# Altium PCB FMs.PcbDoc
Units mil, origin at the board's own origin, x right, y up, seen from the top; angles counter-clockwise.
Board outline 3113 x 2745 mil, 2 copper layers (Top Layer, Bottom Layer); 112 components, 51 nets, 377 pads, 2029 vias.
Unrouted connection lines stored in the file: 5.
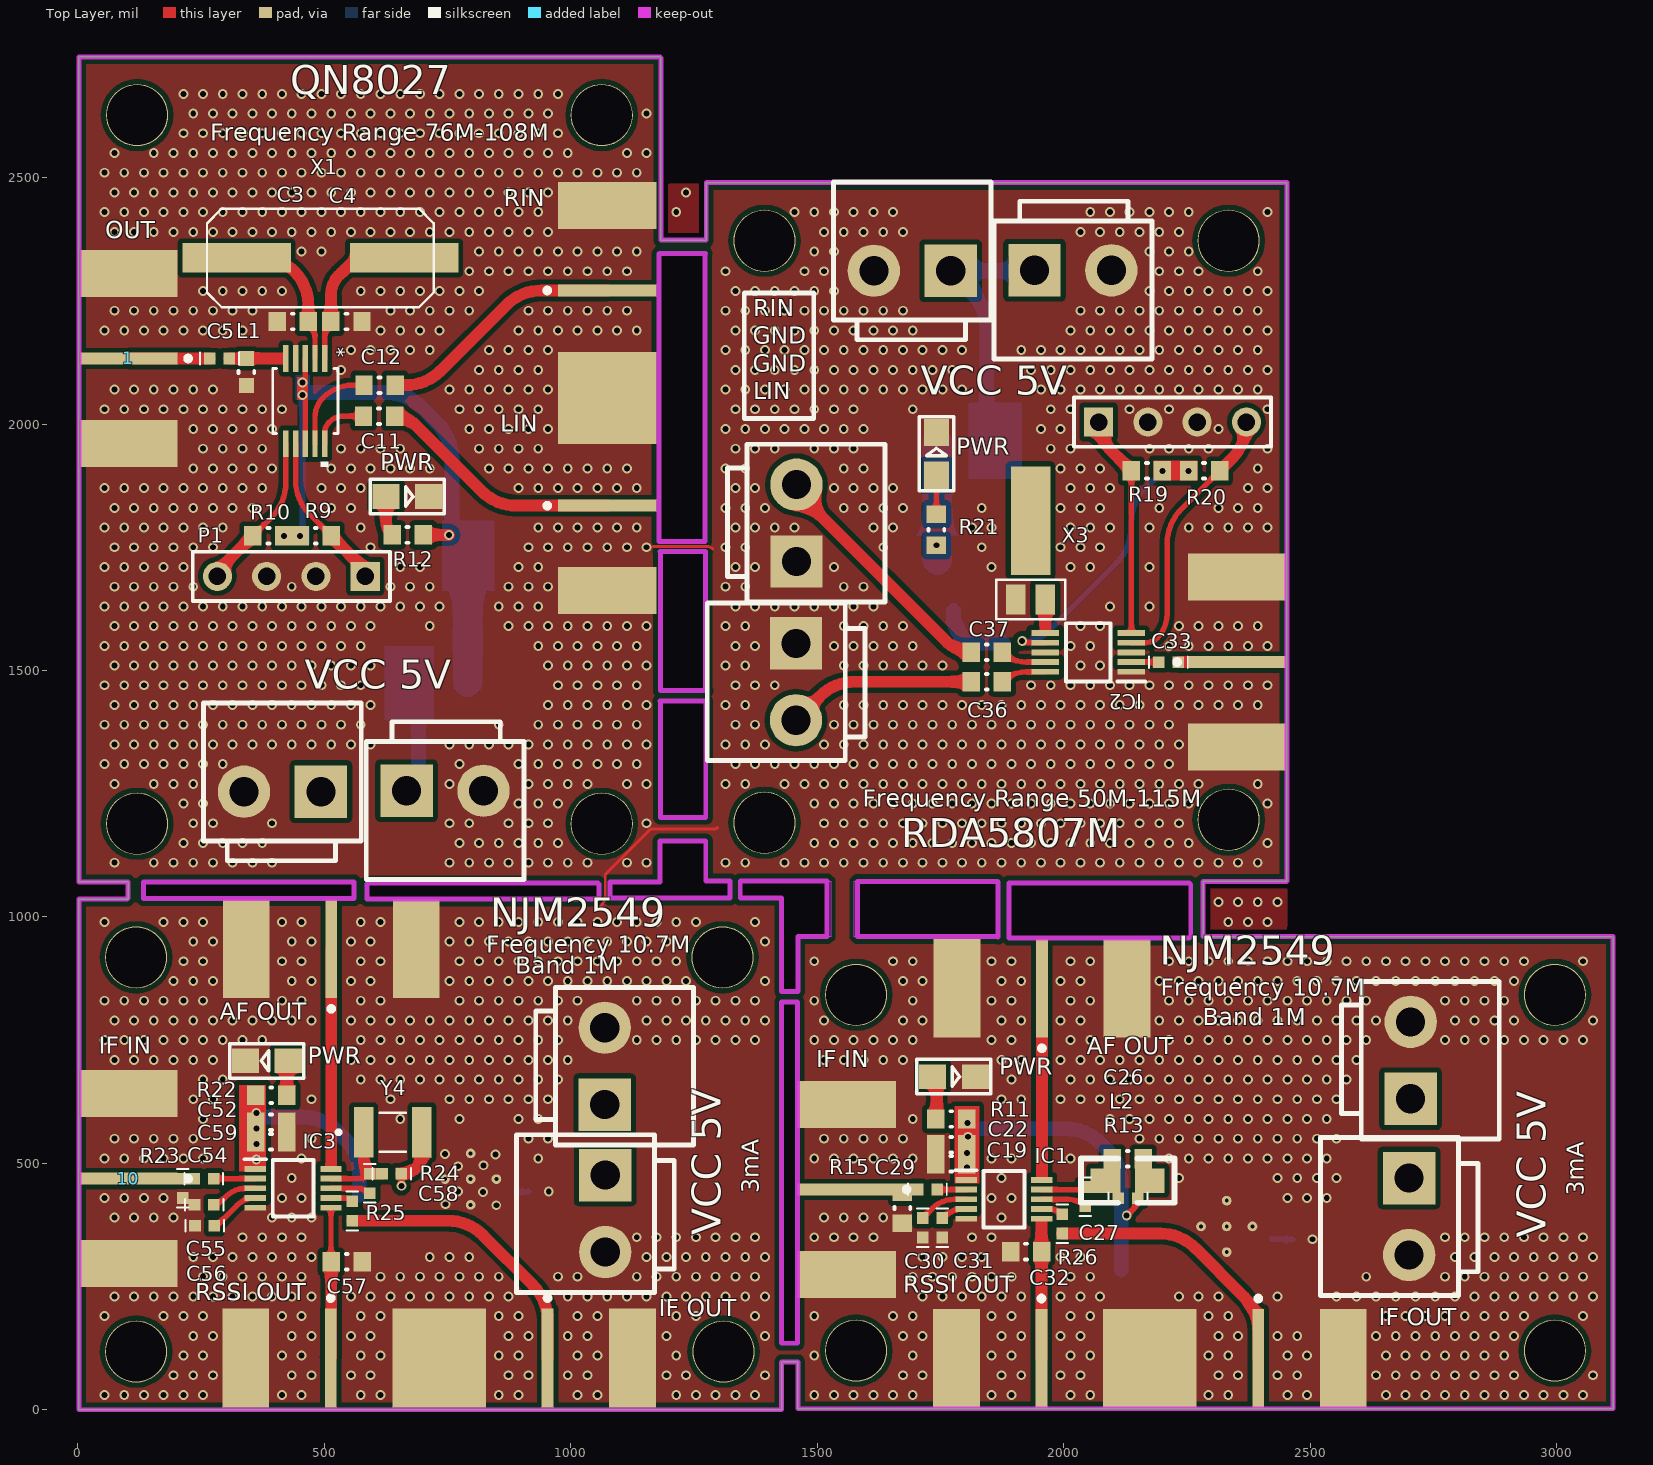
[diagram p0: Top Layer view]
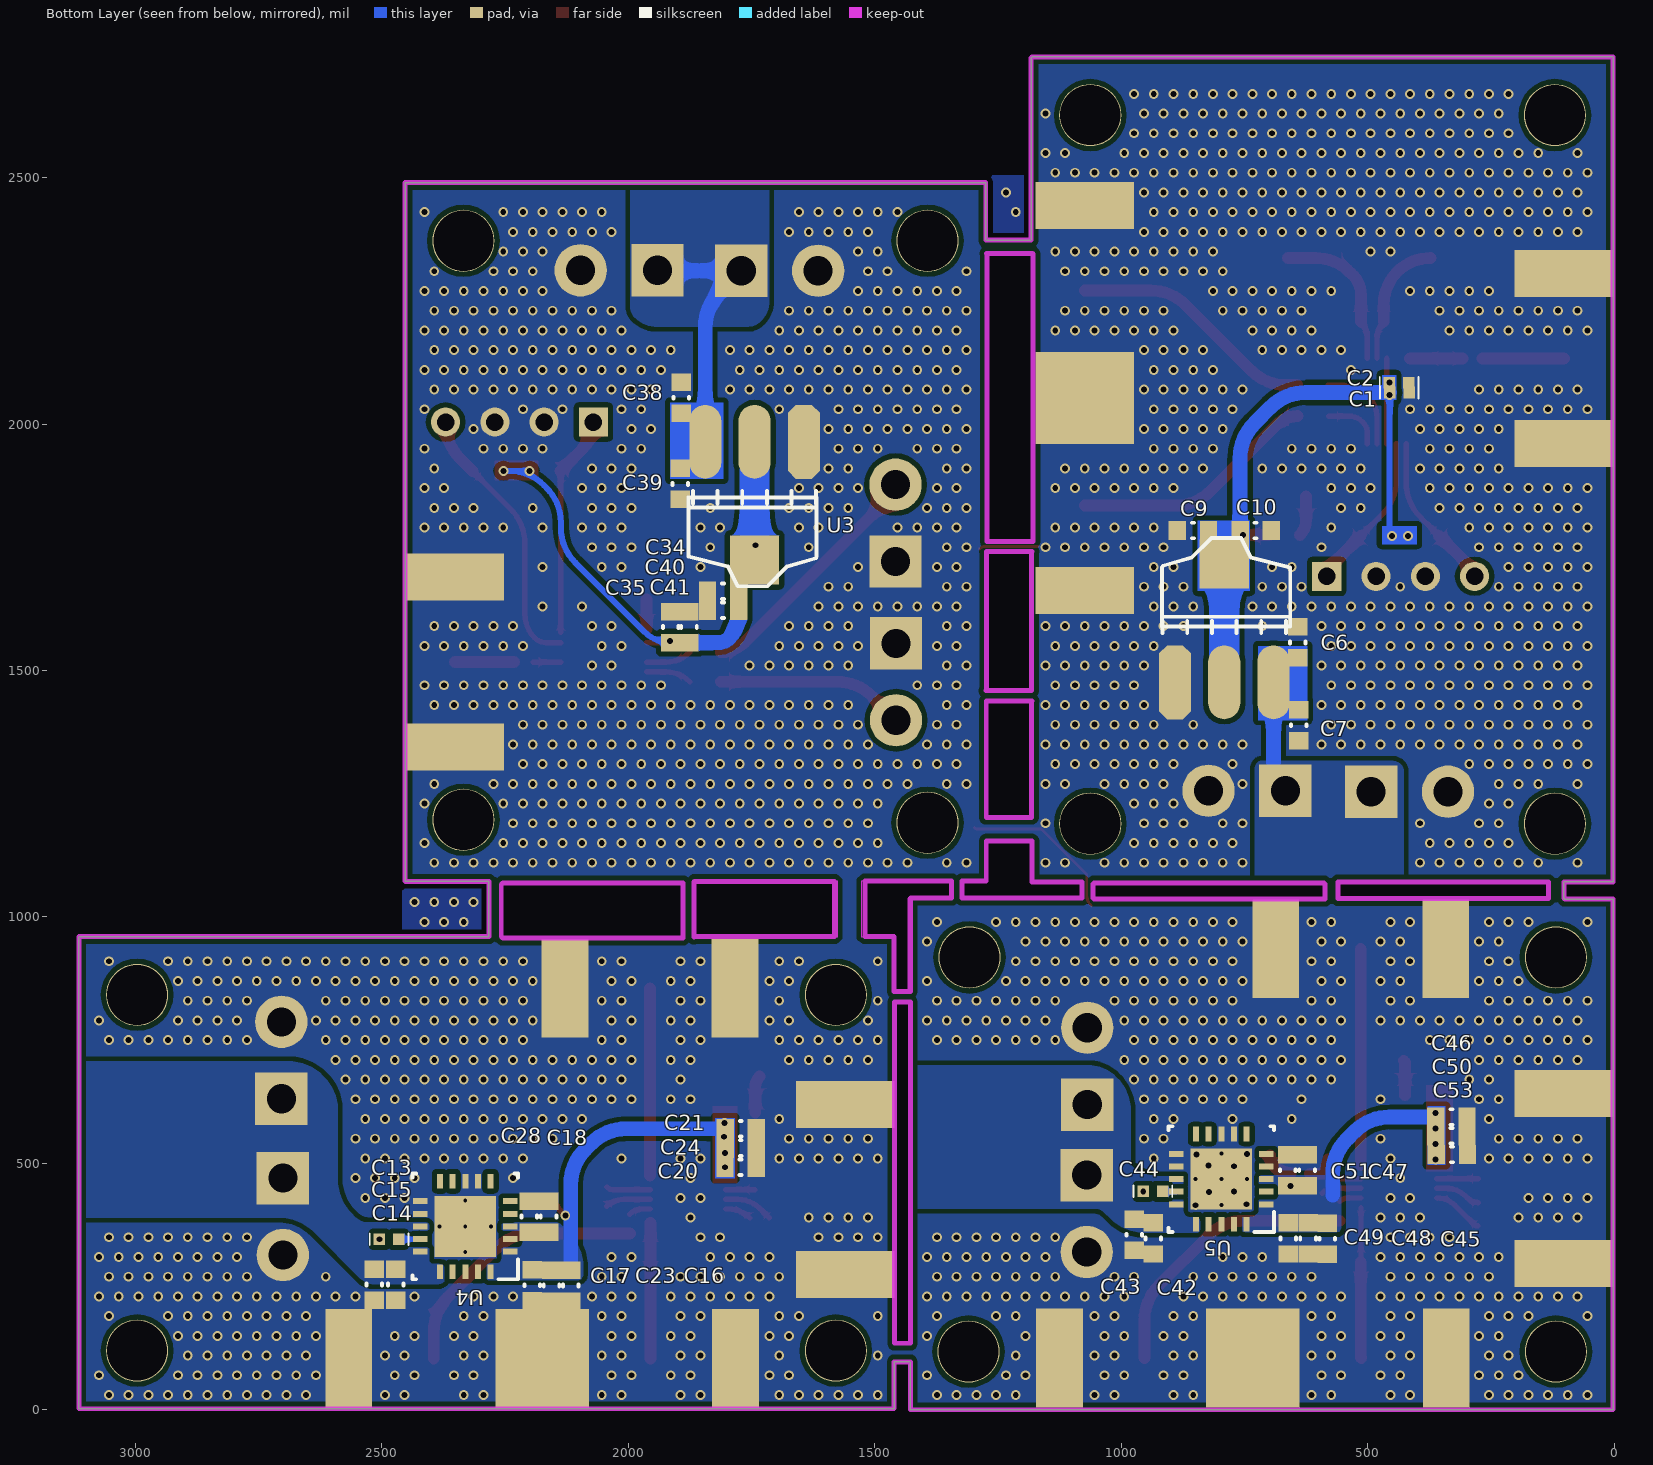
[diagram p1: Bottom Layer view, seen from below]

## Layer stack, top to bottom
Top Solder: solder mask 0.4, Solder Resist, Dk 3.5
Top Layer: signal copper 1.4
Dielectric 1: dielectric 12.6, FR-4, Dk 4.8
Bottom Layer: signal copper 1.4
Bottom Solder: solder mask 0.4, Solder Resist, Dk 3.5

## Board outline
2,0 2,1036 100,1036 102,1038 102,1071 2,1071 2,2745 1181,2745 1183,2743 1183,2373 1275,2373 1275,2490 2453,2490 2453,1073 2452,1072 2283,1072 2283,960 3115,960 3115,2 1461,2 1461,97 1428,97 1428,0
cut-out: 1889,957 1889,1069 2255,1069 2258,1066 2258,960 2255,957
cut-out: 1575,960 1575,1072 1866,1072 1867,1071 1867,959 1866,960
cut-out: 1428,135 1460,135 1460,827 1428,827
cut-out: 1348,1037.5 1348,1072.5 1528,1072.5 1528,959.5 1465,959.5 1465,848.5 1432,848.5 1432,1037.5
cut-out: 1080,1038 1080,1071 1181,1071 1181,1154 1274,1154 1274,1073 1323,1073 1323,1038
cut-out: 1182,1202 1182,1437 1181,1438 1274,1438 1274,1202
cut-out: 1182,1459 1182,1740 1181,1741 1274,1741 1273,1740 1273,1461 1275,1459
cut-out: 1179,1762 1272,1762 1272,2345 1273,2346 1180,2346 1179,2345
cut-out: 587,1036 1055,1036 1057,1038 1057,1067 1055,1069 589,1069 587,1067
cut-out: 133,1037 133,1071 560,1071 560,1037

## Design rules (kind name [scope] priority, off if disabled: settings)
Clearance [All] p1: gap=10 ignorepadtopadclearanceinfootprint=FALSE except(0: Arc-Hole Track-Hole SMDPad-Hole THPad-Hole Via-Hole Fill-Hole Poly-Hole Region-Hole Text-Hole)
PlaneConnect [All] p1: planeconnectstyle=Direct reliefexpansion=20 reliefentries=4 reliefconductorwidth=10 reliefairgap=10
PolygonConnect [All] p1: connectstyle=Direct reliefconductorwidth=10 reliefentries=4 polygonreliefangle="90 Angle" airgapwidth=10
RoutingVias [All] p1: holewidth=28 width=50 viastyle="Through Hole" minholewidth=28 minwidth=50 maxholewidth=28 maxwidth=50
SolderMaskExpansion [All] p1: expansion=4
Width [All] p1: maxlimit=30 minlimit=1 preferedwidth=24
29 further rules are at their usual default settings.

## Classes and differential pairs
component class FMs: C1 C2 C3 C4 C5 C6 C7 C9 C10 C11 C12 C13 C14 C15 C16 C17 C18 C19 C20 C21 C22 C23 C24 C26 C27 C28 C29 C30 C31 C32 C33 C34 C35 C36 C37 C38 C39 C40 C41 C42 C43 C44 C45 C46 C47 C48 C49 C50 C51 C52 C53 C54 C55 C56 C57 C58 C59 IC1 IC2 IC3 L1 L2 P1 R9 R10 R11 R12 R13 R15 R19 R20 R21 R22 R23 R24 R25 R26 U3 U4 U5 X1 X3 Y4 ""

## Components (designator, comment, footprint, x,y, rotation, side; value= is the part's Value field where it differs from the comment)
1 "SMA" SMA 198,2128 r0 top
2 "SMA" SMA 978,1839.5 r180 top
3 "SMA" SMA 978,2276 r180 top
4 "SMA" SMA 1951,759 r270 top
5 "SMA" SMA 1960,200 r90 top
6 "SMA" SMA 2400,200 r90 top
7 "SMA" SMA 1656,442 r0 top
8 "SMA" SMA 2256,1522 r180 top
9 "3.96" 3.96 1457,1477.05 r270 top
10 "SMA" SMA 198,464 r0 top
11 "SMA" SMA 518,201 r90 top
12 "SMA" SMA 958,201 r90 top
13 "SMA" SMA 509,839 r270 top
14 "3.96" 3.96 1070,398.05 r270 top
15 "3.96" 3.96 2018.95,2312 r0 top
16 "3.96" 3.96 2701,392.05 r270 top
17 "3.96" 3.96 1069,697 r90 top
18 "3.96" 3.96 2704,709 r90 top
19 "3.96" 3.96 1693.05,2311 r180 top
20 "3.96" 3.96 745,1256 r0 top
21 "3.96" 3.96 415.05,1254 r180 top
C1 "0.1uF" 0402 416,2064 r0 bottom
C2 "10uF" 0402 416.63,2084 r0 bottom
C3 "22pF" 0603C 436,2208 r180 top
C4 "22pF" 0603C 545,2208 r0 top
C5 "天线匹配" 0402 267.63,2133 r0 top
C6 "10uf" 0603C 642,1557 r270 bottom
C7 "10uf" 0603C 640,1389 r90 bottom
C9 "10uf" 0603C 854.5,1784 r180 bottom
C10 "10uf" 0603C 727.5,1784 r0 bottom
C11 "10uF" 0603C 611,2016 r0 top
C12 "10uF" 0603C 612,2079 r0 top
C13 "10uf" 0603C 2472,254 r90 bottom
C14 "10uf" 0603C 2516,254 r90 bottom
C15 "1uf" 0402 2505.37,346 r180 bottom
C16 "10uf" 0603C 2156,252 r90 bottom
C17 "10uf" 0603C 2195,252.5 r90 bottom
C18 "10uf" 0603C 2162,392 r270 bottom
C19 "10uf" 0603C 1772,499 r0 top
C20 "10uf" 0603C 1772.5,492 r0 bottom
C21 "10uf" 0603C 1772,570 r0 bottom
C22 "10uf" 0603C 1772,538 r0 top
C23 "10nF" 0603C 2117,252 r90 bottom
C24 "10uF" 0603C 1772,531 r0 bottom
C26 "sele" 0603C 2130,509 r180 top
C27 "sele" 0402 2044,412.63 r90 top
C28 "10nF" 0603C 2201,392 r270 bottom
C29 "10nF" 0402 1704,447 r0 top
C30 "10nF" 0402 1714,349.63 r90 top
C31 "10nF" 0402 1754,389 r270 top
C32 "100pF" 0603C 1924,321 r0 top
C33 "10nF" 0402 2232.37,1517 r180 top
C34 "10uF" 0603C 1808,1661 r180 bottom
C35 "22nF" 0603C 1914,1588 r270 bottom
C36 "10uF" 0603C 1844,1477 r180 top
C37 "10uF" 0603C 1844,1537 r180 top
C38 "10uf" 0603C 1893,2053.5 r270 bottom
C39 "10uf" 0603C 1895,1878.5 r90 bottom
C40 "10uf" 0603C 1808,1622 r180 bottom
C41 "10uf" 0603C 1877,1588 r270 bottom
C42 "10uf" 0603C 935,347.5 r90 bottom
C43 "10uf" 0603C 974,355 r90 bottom
C44 "1uf" 0402 955.37,443 r180 bottom
C45 "10uf" 0603C 582,347 r90 bottom
C46 "10uf" 0603C 330,594 r0 bottom
C47 "10uf" 0603C 623,486 r270 bottom
C48 "10uf" 0603C 621,347.5 r90 bottom
C49 "10uf" 0603C 661,347.5 r90 bottom
C50 "10uf" 0603C 330,556 r0 bottom
C51 "10uf" 0603C 662,486 r270 bottom
C52 "10uF" 0603C 392,583 r180 top
C53 "10nF" 0603C 329,518 r0 bottom
C54 "10nF" 0402 236,469 r0 top
C55 "10nF" 0402 236.63,416 r0 top
C56 "10nF" 0402 277,373 r180 top
C57 "100pF" 0603C 545.5,300 r180 top
C58 "sele" 0402 592,439.63 r90 top
C59 "10nF" 0603C 392,544 r180 top
IC1 "NJM2549" SOP50P400X100-10N 1879,427 r0 top
IC2 "RDA5807" SOP50P490X110-10N 2049.91,1536.68 r180 top
IC3 "NJM2549" SOP50P400X100-10N 436.77,449.32 r0 top
L1 "天线匹配" 0603L 342,2105.5 r270 top value=100uH
L2 "Sele" 0805 2085,465.06 r0 top value=100uH
LD1 "LED" SMDLED 1733.96,676.06 r0 top
LD2 "LED" SMDLED 625,1853 r0 top
LD3 "LED" SMDLED 1741.94,1895.97 r90 top
LD4 "LED" SMDLED 427,708 r180 top
P1 "4-3.96" HDR1X4 583,1691 r180 top
P2 "4p" HDR1X4 2071,2004 r0 top
R9 "4.7K" 0603R 482.5,1773 r180 top
R10 "4.7K" 0603R 386.5,1773 r180 top
R11 "1k" 0603R 1772,590 r180 top
R12 "1k" 0603R 669,1775 r180 top
R13 "sele" 0402 2111,429 r0 top
R15 "51R" 0603R 1673,409.5 r90 top
R19 "10K" 0603R 2169,1905 r180 top
R20 "10K" 0603R 2285,1905 r0 top
R21 "1k" 0603R 1742,1785.5 r90 top
R22 "1k" 0603R 392.5,638 r0 top
R23 "51R" 0402 213,429.63 r90 top
R24 "sele" 0402 617,479 r0 top
R25 "0R" 0402 557,423 r270 top
R26 "0R" 0402 1997,397 r270 top
U1 "QN8027" MUB10A 461.37,2046.5 r270 top value=Value
U2 "AMS1117-3.3" AMS1117 891.03,1476.06 r180 bottom
U3 "AMS1117-3.3" AMS1117 1643.97,1963.94 r0 bottom
U4 "TPS7A4701QRGWRQ1" RGW0020A 2331,372 r0 bottom value=Value
U5 "TPS7A4701QRGWRQ1" RGW0020A 797,468 r0 bottom value=Value
X1 "12M" XTAL-HCM49 392,2337 r0 top
X3 "32.768k" XTAL32-2 1903,1644 r0 top
Y4 "10M7" XTAL_CDSCB10M7GA135-R0 639,563 r0 top
? "3.96" 3.96 1458,1798.95 r90 top

## Footprints (in the part's own frame and the unit in brackets; to place one, negate y for a bottom-side part, rotate by r counter-clockwise, add the part's x,y. Pads: shape width x height; smd on the part's side, far side on the other; paste and mask are expansions set on the pad)
3.96 [mm] "接插件，25V/5A"
  rect 2.7x2.7 hole 1.5: 1(-1.98,0)
  round 2.7 hole 1.5: 2(1.982,0)
  silkscreen extent -4.06,-4.57 4.07,3.56, body extent -3.98,-4.4 4.03,4.16, height 10.5
0402 [mm]
  rect 0.6x0.6 smd: 1(0,0) 2(1,0)
  silkscreen extent -0.5,-0.3 1.5,0.3
0603C [mm] "Chip Capacitor, Body 1.6x0.8mm, Height 1.0mm, IPC Medium Density"
  rect 0.9x1 smd: 1(-0.8,0) 2(0.8,0)
  silkscreen extent -0.05,-0.4 0.05,0.4, body extent -0.87,-0.48 0.88,0.47, height 1
0603L [mil] "Bead 0603L"
  rect 30x30 smd: 1(27.5,0) 2(-27.5,0)
  silkscreen extent -2,-16 2,16, body extent -34,-19 34,19, height 24
0603R [mm] "Chip Resistor, Body 1.6x0.8mm, IPC Medium Density"
  rect 0.9x1 smd: 1(-0.8,0) 2(0.8,0)
  silkscreen extent -0.05,-0.4 0.05,0.4, body extent -0.85,-0.47 0.85,0.47, height 0.6
0805 [mil]
  rect 60x50 smd: 1(0,-0.06) 2(90,-0.06)
  silkscreen extent -50,-45 140,45
AMS1117 [mil]
  oct 65x150 smd: 1(0.03,-0.06)
  oval 65x150 smd: 2(100.03,-0.06) 3(200.03,-0.06)
  rect 100x100 smd: 4(100.03,239.94)
  silkscreen extent -26,100 234,293
HDR1X4 [mm]
  rect 1.5x1.5 hole 0.9: 1(0,0)
  round 1.5 hole 0.9: 2(2.54,0) 3(5.08,0) 4(7.62,0)
  silkscreen extent -1.27,-1.27 8.89,1.27
MUB10A [mil]
  rect 54x11 smd: 1(-86.5,39.37) 2(-86.5,19.68) 3(-86.5,0) 4(-86.5,-19.69) 5(-86.5,-39.37) 6(86.5,-39.37) 7(86.5,-19.69) 8(86.5,0) 9(86.5,19.68) 10(86.5,39.37)
  silkscreen extent -66,-66 134,66, body extent 0,0 10,10, height 10
RGW0020A [mm]
  rect 0.75x0.31 smd paste+0 mask+0: 1(-2.325,1.3) 2(-2.325,0.65) 3(-2.325,0) 4(-2.325,-0.65) 5(-2.325,-1.3) 11(2.325,-1.3) 12(2.325,-0.65) 13(2.325,0) 14(2.325,0.65) 15(2.325,1.3)
  rect 0.31x0.75 smd paste+0 mask+0: 6(-1.3,-2.325) 7(-0.65,-2.325) 8(0,-2.325) 9(0.65,-2.325) 10(1.3,-2.325) 16(1.3,2.325) 17(0.65,2.325) 18(0,2.325) 19(-0.65,2.325) 20(-1.3,2.325)
  round 0.5 hole 0.203 mask+0: 21(-1.325,0) 21(0,-1.325) 21(0,0) 21(0,1.325) 21(1.325,0)
  rect 3.15x3.15 smd paste-1.562 mask+0: 21(0,0)
  silkscreen extent -2.73,-2.73 2.73,2.73, body extent 0,0 0.25,0.25, height 0.25
SMA [mil]
  rect 200x24 smd: 1(-96,5)
  rect 200x95 smd: 2(-96,-167.5) 2(-96,177.5)
  rect 200x95 smd far side: 2(-96,-167.5) 2(-96,177.5) 2(-96,177.5)
  silkscreen extent 21,0 31,10, body extent -571,-183 -9,192, height 171
SMDLED [mm]
  rect 1.4x1.27 smd: 1(0.001,-0.002) 2(2.211,-0.002)
  silkscreen extent -0.8,-0.89 3.01,0.89
SOP50P400X100-10N [mm]
  rect 1.1x0.3 smd: 1(-1.95,1) 2(-1.95,0.5) 3(-1.95,0) 4(-1.95,-0.5) 5(-1.95,-1) 6(1.95,-1) 7(1.95,-0.5) 8(1.95,0) 9(1.95,0.5) 10(1.95,1)
  silkscreen extent -2.5,-1.45 1.05,1.5, body extent -2,-1.45 2,1.45, height 1
SOP50P490X110-10N [mm]
  rect 1.425x0.3 smd: 1(-2.212,1) 2(-2.212,0.5) 3(-2.212,0) 4(-2.212,-0.5) 5(-2.212,-1) 6(2.212,-1) 7(2.212,-0.5) 8(2.212,0) 9(2.212,0.5) 10(2.212,1)
  silkscreen extent -2.93,-1.5 1.15,1.5, body extent -2.45,-1.5 2.45,1.5, height 1.1
XTAL32-2 [mil]
  rect 80x220 smd: 0(30,160)
  rect 40x60 smd: 1(0,0) 2(60,0)
  silkscreen extent -40,-40 100,40
XTAL-HCM49 [mil]
  rect 220x60 smd: 1(-70,0) 2(270,0)
  silkscreen extent -130,-100 330,100, body extent -184,-102 384,102
XTAL_CDSCB10M7GA135-R0 [mm]
  rect 1x2.6 smd: 1(-1.5,0) 2(1.5,0)
  silkscreen extent -2.9,-1 0.68,1, body extent -2.25,-1 2.25,1, height 1

## Part data
1 2 3 4 5 6 7 8 10 11 12 13: "SMA Connector"
C1 C2 C3 C4 C5 C6 C7 C9 C10 C11 C12 C13 C14 C15 C16 C17 C18 C19 C20 C21 C22 C23 C24 C26 C27 C28 C29 C30 C31 C32 C33 C34 C35 C36 C37 C38 C39 C40 C41 C42 C43 C44 C45 C46 C47 C48 C49 C50 C51 C52 C53 C54 C55 C56 C57 C58 C59: library part C, "Capacitor"
IC1 IC3: "Integrated Circuit", Manufacturer_Name="New Japan Radio", Datasheet Link=https://www.njr.com/semicon/PDF/NJM2549_E.pdf, Height=1mm, Manufacturer_Part_Number=NJM2549
IC2: "Integrated Circuit", Manufacturer_Name="RDA Microelectronics", Datasheet Link=http://cxem.net/tuner/files/tuner84_RDA5807M_datasheet_v1.pdf, Height=1.1mm, Manufacturer_Part_Number=RDA5807
L1 L2: library part Inductor, "Inductor", Published=8-Jun-2000, Publisher="Altium Limited", Revision="July-2002: Re-released for DXP Platform."
LD1 LD2 LD3 LD4: "Typical RED, GREEN, YELLOW, AMBER GaAs LED", PackageDocument=Feb-2002, LatestRevisionDate=17-Jul-2002, LatestRevisionNote="Re-released for DXP Platform.", PackageReference=3.2X1.6X1.1, Published=8-Jun-2000, Publisher="Altium Limited"
P1 P2: library part "Header 4", "Header, 4-Pin", LatestRevisionDate=17-Jul-2002, LatestRevisionNote="Re-released for DXP Platform.", Publisher="Altium Limited"
R9 R10 R11 R12 R13 R15 R19 R20 R21 R22 R23 R24 R25 R26: library part Resistor, "Resistor"
U1: "FM发射", Manufacturer_Part_Number=LM5020MM-2/NOPB, Built_By=EMA_UL_Team, Copyright="Copyright (C) 2018 Accelerated Designs. All rights reserved", RefDes=RefDes, Type=DEV, Vendor="Texas Instruments"
U2 U3: library part AMS1117
U4 U5: "No Description Available", Manufacturer="Texas Instruments", Copyright="Copyright (C) 2018 Accelerated Designs. All rights reserved", PartNumber=TPS7A4701QRGWRQ1, RefDes=RefDes, Type=DEV
X1 X3: library part XTAL, "Crystal"
Y4: library part CDSCB10M7GA135-R0, "Signal Conditioning", Package=None, Availability=Unavailable, MF=Murata, MP=CDSCB10M7GA135-R0, Price=None

## Free pads (board coordinates)
  round 125.98 hole 122.05: 3(118.11,118.11) 3(118.11,917.89) 3(120.11,1189.11) 3(120.11,2626.89) 3(1062.89,1189.11) 3(1062.89,2626.89) 3(1307.89,917.89) 3(1309.89,118.11) 3(1393.11,1191.11) 3(1393.11,2371.89) 3(1579.11,120.11) 3(1579.11,841.89) 3(2334.89,1197.11) 3(2334.89,2371.89) 3(2996.89,120.11) 3(2996.89,841.89)

## Via types
v1: diameter 20, hole 12, Top Layer to Bottom Layer, tented both sides, 2029 vias

## Nets (pads, with @x,y where several pads share a name; then routed paths per layer and width w, separated by ;. In a path a pad name is that pad's centre, name@x,y a point inside that pad or via, vN(x,y) a via of type N, cw(c..) or ccw(c..) an arc to the next point about the centre after c; other vN are vias at no path point)
GND: 1.2 2.2 3.2 4.2 5.2 6.2 7.2 8.2 9.1 10.2 11.2 12.2 13.2 14.2 15.2 16.2 17.2 18.2 19.2 20.2 21.2 ?.1 C1.1 C2.1 C3.2 C4.2 C6.1 C7.1 C9.1 C10.1 C13.1 C14.1 C15.1 C16.1 C17.1 C18.1 C19.1 C20.1 C21.1 C22.1 C23.1 C24.1 C28.1 C30.1 C31.2 C32.1 C34.1 C35.1 C38.1 C39.1 C40.1 C41.1 C42.1 C43.1 C44.1 C45.1 C46.1 C47.1 C48.1 C49.1 C50.1 C51.1 C52.1 C53.1 C55.1 C56.2 C57.1 C59.1 IC1.5 IC2.1 IC2.3 IC2.8 IC3.5 L1.1 LD1.2 LD2.2 LD3.2 LD4.2 P1.2 P1.3 P2.2 P2.3 R15.1 R23.1 U1.4 U2.1 U3.1 U4.7 U4.8 U4.11 U4.12 U4.21 U5.7 U5.8 U5.11 U5.12 U5.21 X3.1 | length 454.9
  Top Layer w6: 1060.85,1021.87 ccw(c1038.8,1043.93) 1069.99,1043.93 1069.99,1085.96 1162.03,1178 1290.38,1178 ccw(c1290.38,1188.88) 1298.07,1181.19 ; 1168.03,1751.41 1277.12,1751.41 cw(c1277.12,1735.84) 1288.13,1746.85
  other v1: 54,30 94,30 134,30 174,30 214,30 254,30 414,30 454,30 574,30 614,30 854,30 894,30 1014,30 1054,30 1214,30 1254,30 1294,30 1334,30 1374,30 1494,30 1534,30 1574,30 1614,30 1654,30 1694,30 1854,30 1894,30 2014,30 2054,30 2294,30 2334,30 2454,30 2494,30 2654,30 2694,30 2734,30 2774,30 2814,30 2854,30 2894,30 2934,30 2974,30 3014,30 3054,30 194,70 234,70 274,70 434,70 474,70 554,70 594,70 874,70 914,70 994,70 1034,70 1194,70 1234,70 1394,70 1674,70 1714,70 1874,70 1914,70 1994,70 2034,70 2314,70 2354,70 2434,70 2474,70 2634,70 2674,70 2714,70 2754,70 2794,70 2834,70 2874,70 2914,70 3074,70 214,110 254,110 414,110 454,110 574,110 614,110 854,110 894,110 1014,110 1054,110 1214,110 1494,110 1694,110 1854,110 1894,110 2014,110 2054,110 2294,110 2334,110 2454,110 2494,110 2654,110 2694,110 2734,110 2774,110 2814,110 2854,110 2894,110 234,150 274,150 434,150 474,150 554,150 594,150 874,150 914,150 994,150 1034,150 1194,150 1394,150 1674,150 1714,150 1874,150 1914,150 1994,150 2034,150 2314,150 2354,150 2434,150 2474,150 2634,150 2674,150 2714,150 2754,150 2794,150 2834,150 2874,150 2914,150 54,190 174,190 214,190 254,190 414,190 454,190 574,190 614,190 854,190 894,190 1014,190 1054,190 1214,190 1254,190 1374,190 1494,190 1654,190 1694,190 1854,190 1894,190 2014,190 2054,190 2294,190 2334,190 2654,190 2694,190 2734,190 2774,190 2814,190 2854,190 2894,190 2934,190 3054,190 74,230 114,230 154,230 194,230 234,230 274,230 314,230 354,230 394,230 434,230 474,230 554,230 594,230 634,230 674,230 714,230 754,230 794,230 834,230 874,230 994,230 1034,230 1074,230 1114,230 1154,230 1194,230 1234,230 1274,230 1314,230 1354,230 1394,230 1714,230 1754,230 1794,230 1834,230 1874,230 1914,230 1994,230 2034,230 2074,230 2234,230 2274,230 2314,230 2434,230 2554,230 2594,230 2634,230 2674,230 2714,230 2754,230 2794,230 2834,230 2874,230 2914,230 2954,230 2994,230 3034,230 3074,230 254,270 294,270 334,270 374,270 414,270 454,270 614,270 654,270 694,270 734,270 774,270 814,270 854,270 974,270 1014,270 1134,270 1174,270 1214,270 1254,270 1294,270 1334,270 1374,270 1694,270 1734,270 1774,270 1814,270 1854,270 1894,270 2014,270 2054,270 2614,270 2774,270 2814,270 2854,270 2894,270 2934,270 2974,270 3014,270 3054,270 234,310 274,310 314,310 354,310 394,310 434,310 474,310 714,310 754,310 794,310 1154,310 1194,310 1234,310 1274,310 1314,310 1354,310 1394,310 1714,310 1754,310 1794,310 1834,310 1994,310 2034,310 2794,310 2834,310 2874,310 2914,310 2954,310 2994,310 3034,310 3074,310 2505.37,346 334,350 374,350 414,350 454,350 1134,350 1174,350 1214,350 1254,350 1294,350 1334,350 1374,350 1494,350 1534,350 1574,350 1614,350 1814,350 1854,350 2774,350 2814,350 2854,350 2894,350 2934,350 2974,350 3014,350 3054,350 74,390 114,390 154,390 194,390 394,390 434,390 474,390 1514,390 1554,390 1594,390 1634,390 1874,390 849,415 746,417 54,430 94,430 134,430 174,430 414,430 454,430 1854,430 1894,430 2454,430 2494,430 2534,430 822,442 771,443 955.37,443 434,470 1874,470 2234,470 2434,470 2474,470 2514,470 2554,470 771,494 823,496 54,510 94,510 134,510 174,510 214,510 254,510 454,510 934,510 1494,510 1534,510 1574,510 1614,510 1654,510 1694,510 1854,510 1894,510 2014,510 2214,510 2254,510 2294,510 2334,510 2374,510 2414,510 2454,510 2494,510 2534,510 847,518 745,519 74,550 114,550 154,550 194,550 234,550 474,550 914,550 954,550 1514,550 1554,550 1594,550 1634,550 1674,550 2154,550 2194,550 2234,550 2274,550 2314,550 2354,550 2394,550 2434,550 2474,550 2514,550 2554,550 254,590 654,590 774,590 894,590 934,590 1694,590 2094,590 2134,590 2174,590 2214,590 2254,590 2294,590 2334,590 2374,590 2414,590 2454,590 2494,590 2534,590 234,630 274,630 474,630 634,630 754,630 794,630 834,630 874,630 914,630 954,630 1874,630 1914,630 1994,630 2034,630 2074,630 2114,630 2154,630 2194,630 2234,630 2274,630 2314,630 2354,630 2394,630 2434,630 2474,630 2514,630 2554,630 254,670 294,670 574,670 614,670 654,670 694,670 734,670 774,670 814,670 854,670 894,670 934,670 974,670 1894,670 2014,670 2054,670 2094,670 2134,670 2174,670 2214,670 2254,670 2294,670 2334,670 2374,670 2414,670 2454,670 2494,670 2534,670 2574,670 74,710 114,710 154,710 194,710 234,710 274,710 554,710 594,710 634,710 674,710 714,710 754,710 794,710 834,710 874,710 914,710 954,710 994,710 1514,710 1554,710 1594,710 1634,710 1674,710 1874,710 1914,710 1994,710 2034,710 2074,710 2114,710 2154,710 2194,710 2234,710 2274,710 2314,710 2354,710 2394,710 2434,710 2474,710 2514,710 2554,710 2594,710 54,750 94,750 134,750 174,750 214,750 254,750 294,750 334,750 374,750 574,750 614,750 654,750 694,750 734,750 774,750 814,750 854,750 894,750 934,750 974,750 1134,750 1174,750 1214,750 1254,750 1294,750 1334,750 1374,750 1494,750 1534,750 1574,750 1614,750 1654,750 1694,750 1854,750 1894,750 2014,750 2054,750 2214,750 2254,750 2294,750 2334,750 2374,750 2414,750 2454,750 2494,750 2534,750 2574,750 2614,750 2774,750 2814,750 2854,750 2894,750 2934,750 2974,750 3014,750 3054,750 74,790 114,790 154,790 194,790 234,790 274,790 314,790 354,790 394,790 434,790 474,790 554,790 594,790 634,790 674,790 714,790 754,790 794,790 834,790 874,790 914,790 954,790 994,790 1154,790 1194,790 1234,790 1274,790 1314,790 1354,790 1394,790 1514,790 1674,790 1714,790 1874,790 1914,790 1994,790 2034,790 2194,790 2234,790 2274,790 2314,790 2354,790 2394,790 2434,790 2474,790 2514,790 2554,790 2594,790 2634,790 2794,790 2834,790 2874,790 2914,790 3074,790 54,830 94,830 134,830 174,830 214,830 254,830 414,830 454,830 574,830 614,830 774,830 814,830 854,830 894,830 934,830 974,830 1014,830 1134,830 1174,830 1214,830 1254,830 1294,830 1334,830 1374,830 1494,830 1694,830 1854,830 1894,830 2014,830 2054,830 2214,830 2254,830 2294,830 2334,830 2374,830 2414,830 2454,830 2494,830 2534,830 2574,830 2614,830 2774,830 2814,830 2854,830 2894,830 194,870 234,870 274,870 434,870 474,870 554,870 594,870 754,870 794,870 834,870 874,870 914,870 954,870 994,870 1034,870 1074,870 1114,870 1154,870 1194,870 1234,870 1394,870 1674,870 1714,870 1874,870 1914,870 1994,870 2034,870 2194,870 2234,870 2274,870 2314,870 2354,870 2394,870 2434,870 2474,870 2514,870 2554,870 2594,870 2634,870 2674,870 2714,870 2754,870 2794,870 2834,870 2874,870 2914,870 214,910 254,910 414,910 454,910 574,910 614,910 774,910 814,910 854,910 894,910 934,910 974,910 1014,910 1054,910 1094,910 1134,910 1174,910 1214,910 1494,910 1654,910 1694,910 1854,910 1894,910 2014,910 2054,910 2214,910 2254,910 2294,910 2334,910 2374,910 2414,910 2454,910 2494,910 2534,910 2574,910 2614,910 2654,910 2694,910 2734,910 2774,910 2814,910 2854,910 2894,910 2934,910 3054,910 234,950 274,950 434,950 474,950 554,950 594,950 754,950 794,950 834,950 874,950 914,950 954,950 994,950 1034,950 1074,950 1114,950 1154,950 1194,950 1394,950 54,990 174,990 214,990 254,990 414,990 454,990 574,990 614,990 774,990 814,990 854,990 894,990 934,990 974,990 1014,990 1054,990 1094,990 1134,990 1174,990 1214,990 1254,990 1374,990 2334,990 2374,990 2414,990 2314,1030 2354,1030 2394,1030 2434,1030 74,1110 154,1110 194,1110 234,1110 274,1110 314,1110 354,1110 394,1110 754,1110 794,1110 834,1110 874,1110 914,1110 954,1110 994,1110 1034,1110 1114,1110 1154,1110 1314,1110 1354,1110 1434,1110 1474,1110 1514,1110 1554,1110 1594,1110 1634,1110 1674,1110 1714,1110 1754,1110 1794,1110 1834,1110 1874,1110 1914,1110 1954,1110 1994,1110 2034,1110 2074,1110 2114,1110 2154,1110 2194,1110 2234,1110 2274,1110 2314,1110 2354,1110 2394,1110 214,1150 254,1150 294,1150 334,1150 374,1150 774,1150 814,1150 854,1150 894,1150 934,1150 974,1150 1494,1150 1534,1150 1574,1150 1614,1150 1654,1150 1694,1150 1734,1150 1774,1150 1814,1150 1854,1150 1894,1150 1934,1150 1974,1150 2014,1150 2054,1150 2094,1150 2134,1150 2174,1150 2214,1150 2254,1150 2414,1150 234,1190 274,1190 394,1190 754,1190 794,1190 874,1190 914,1190 954,1190 1154,1190 1514,1190 1554,1190 1594,1190 1634,1190 1674,1190 1714,1190 1754,1190 1794,1190 1834,1190 1874,1190 1914,1190 1954,1190 1994,1190 2034,1190 2074,1190 2114,1190 2154,1190 2194,1190 2234,1190 214,1230 254,1230 894,1230 934,1230 974,1230 1494,1230 1534,1230 1574,1230 1614,1230 1654,1230 1694,1230 1734,1230 1774,1230 1814,1230 1854,1230 1894,1230 1934,1230 1974,1230 2014,1230 2054,1230 2094,1230 2134,1230 2174,1230 2214,1230 2254,1230 2414,1230 74,1270 154,1270 194,1270 234,1270 754,1270 914,1270 954,1270 994,1270 1034,1270 1114,1270 1154,1270 1314,1270 1354,1270 1434,1270 1474,1270 1514,1270 1554,1270 1594,1270 1634,1270 1674,1270 1714,1270 1754,1270 1794,1270 1834,1270 1874,1270 1914,1270 1954,1270 1994,1270 2034,1270 2074,1270 2114,1270 2154,1270 2194,1270 2234,1270 2274,1270 2394,1270 54,1310 94,1310 134,1310 174,1310 214,1310 254,1310 294,1310 774,1310 894,1310 934,1310 974,1310 1014,1310 1054,1310 1094,1310 1134,1310 1334,1310 1374,1310 1414,1310 1454,1310 1494,1310 1534,1310 1574,1310 1614,1310 1654,1310 1694,1310 1734,1310 1774,1310 1814,1310 1854,1310 1894,1310 1934,1310 1974,1310 2014,1310 2054,1310 2094,1310 2134,1310 2174,1310 2214,1310 74,1350 114,1350 154,1350 194,1350 234,1350 274,1350 314,1350 354,1350 394,1350 434,1350 474,1350 514,1350 554,1350 594,1350 754,1350 794,1350 834,1350 874,1350 914,1350 954,1350 994,1350 1034,1350 1074,1350 1114,1350 1154,1350 1314,1350 1354,1350 1394,1350 1514,1350 1554,1350 1594,1350 1634,1350 1674,1350 1714,1350 1754,1350 1794,1350 1834,1350 1874,1350 1914,1350 1954,1350 1994,1350 2034,1350 2074,1350 2114,1350 2154,1350 2194,1350 2234,1350 54,1390 94,1390 134,1390 174,1390 214,1390 254,1390 294,1390 334,1390 374,1390 414,1390 454,1390 494,1390 534,1390 574,1390 854,1390 934,1390 974,1390 1014,1390 1054,1390 1094,1390 1134,1390 1334,1390 1374,1390 1534,1390 1574,1390 1614,1390 1654,1390 1694,1390 1734,1390 1774,1390 1814,1390 1854,1390 1894,1390 1934,1390 1974,1390 2014,1390 2054,1390 2094,1390 2134,1390 2174,1390 2214,1390 74,1430 114,1430 154,1430 194,1430 234,1430 274,1430 314,1430 354,1430 394,1430 434,1430 474,1430 514,1430 554,1430 594,1430 954,1430 994,1430 1034,1430 1074,1430 1114,1430 1154,1430 1314,1430 1354,1430 1554,1430 1594,1430 1634,1430 1674,1430 1714,1430 1754,1430 1794,1430 1834,1430 1874,1430 1914,1430 1954,1430 1994,1430 2034,1430 2074,1430 2114,1430 2154,1430 2194,1430 2234,1430 2274,1430 2314,1430 2354,1430 2394,1430 54,1470 94,1470 134,1470 174,1470 214,1470 254,1470 294,1470 334,1470 374,1470 414,1470 454,1470 494,1470 534,1470 574,1470 974,1470 1014,1470 1054,1470 1094,1470 1134,1470 1334,1470 1374,1470 1414,1470 1934,1470 1974,1470 2014,1470 2054,1470 2094,1470 2134,1470 2174,1470 2214,1470 2254,1470 2294,1470 2334,1470 2374,1470 2414,1470 74,1510 114,1510 154,1510 194,1510 234,1510 274,1510 314,1510 354,1510 394,1510 434,1510 474,1510 514,1510 554,1510 594,1510 954,1510 994,1510 1034,1510 1074,1510 1114,1510 1154,1510 1314,1510 1354,1510 1554,1510 1594,1510 1634,1510 1674,1510 1714,1510 1754,1510 2034,1510 2074,1510 54,1550 94,1550 134,1550 174,1550 214,1550 254,1550 294,1550 334,1550 374,1550 414,1550 454,1550 494,1550 534,1550 574,1550 934,1550 974,1550 1014,1550 1054,1550 1094,1550 1134,1550 1334,1550 1374,1550 1534,1550 1574,1550 1614,1550 1654,1550 1694,1550 2014,1550 2054,1550 2214,1550 2254,1550 2294,1550 2334,1550 2374,1550 2414,1550 74,1590 114,1590 154,1590 194,1590 234,1590 274,1590 314,1590 354,1590 394,1590 434,1590 474,1590 514,1590 554,1590 594,1590 714,1590 874,1590 914,1590 954,1590 994,1590 1034,1590 1074,1590 1114,1590 1154,1590 1314,1590 1354,1590 1554,1590 1594,1590 1634,1590 1674,1590 2034,1590 2074,1590 2234,1590 2274,1590 2314,1590 2354,1590 2394,1590 54,1630 94,1630 134,1630 174,1630 214,1630 254,1630 294,1630 334,1630 374,1630 414,1630 454,1630 494,1630 534,1630 574,1630 614,1630 654,1630 694,1630 734,1630 854,1630 894,1630 934,1630 1334,1630 1374,1630 1414,1630 1454,1630 1494,1630 1534,1630 1574,1630 1614,1630 2094,1630 2174,1630 74,1670 114,1670 154,1670 194,1670 234,1670 434,1670 634,1670 674,1670 714,1670 874,1670 914,1670 954,1670 1314,1670 1354,1670 1554,1670 1594,1670 54,1710 94,1710 134,1710 174,1710 214,1710 654,1710 694,1710 894,1710 934,1710 1334,1710 1374,1710 1534,1710 1854,1710 2014,1710 2054,1710 2174,1710 74,1750 114,1750 154,1750 194,1750 234,1750 274,1750 594,1750 914,1750 954,1750 994,1750 1034,1750 1074,1750 1114,1750 1154,1750 1314,1750 1354,1750 1634,1750 1834,1750 1994,1750 2034,1750 2074,1750 54,1790 94,1790 134,1790 174,1790 214,1790 254,1790 294,1790 574,1790 934,1790 974,1790 1014,1790 1054,1790 1094,1790 1134,1790 1334,1790 1374,1790 1414,1790 1454,1790 1614,1790 1654,1790 1814,1790 1854,1790 2014,1790 2054,1790 2094,1790 2174,1790 2254,1790 2294,1790 2334,1790 2374,1790 2414,1790 74,1830 114,1830 154,1830 194,1830 234,1830 274,1830 314,1830 354,1830 514,1830 554,1830 1314,1830 1354,1830 1394,1830 1554,1830 1594,1830 1634,1830 1674,1830 1834,1830 1994,1830 2034,1830 2074,1830 2194,1830 2314,1830 2354,1830 2394,1830 54,1870 94,1870 134,1870 174,1870 214,1870 254,1870 294,1870 334,1870 374,1870 494,1870 534,1870 574,1870 894,1870 934,1870 974,1870 1014,1870 1054,1870 1094,1870 1134,1870 1334,1870 1374,1870 1534,1870 1574,1870 1614,1870 1654,1870 2014,1870 2054,1870 2094,1870 2374,1870 2414,1870 234,1910 274,1910 314,1910 354,1910 394,1910 514,1910 554,1910 594,1910 634,1910 674,1910 714,1910 834,1910 874,1910 914,1910 954,1910 994,1910 1034,1910 1074,1910 1114,1910 1314,1910 1354,1910 1554,1910 1594,1910 1994,1910 2034,1910 2074,1910 2394,1910 254,1950 294,1950 334,1950 374,1950 534,1950 574,1950 614,1950 654,1950 814,1950 854,1950 894,1950 934,1950 1334,1950 1374,1950 1414,1950 1494,1950 1534,1950 1574,1950 1974,1950 2014,1950 2174,1950 2214,1950 2254,1950 2294,1950 2414,1950 234,1990 274,1990 314,1990 354,1990 394,1990 794,1990 834,1990 874,1990 914,1990 954,1990 1314,1990 1354,1990 1394,1990 1434,1990 1474,1990 1514,1990 1554,1990 1594,1990 1954,1990 1994,1990 2314,1990 54,2030 94,2030 134,2030 174,2030 214,2030 254,2030 294,2030 334,2030 374,2030 414,2030 774,2030 814,2030 854,2030 894,2030 934,2030 1334,2030 1374,2030 1414,2030 1454,2030 1494,2030 1534,2030 1574,2030 1694,2030 1974,2030 2014,2030 2134,2030 2214,2030 2414,2030 74,2070 114,2070 154,2070 194,2070 234,2070 274,2070 754,2070 794,2070 834,2070 874,2070 914,2070 954,2070 1314,2070 1354,2070 1394,2070 1434,2070 1474,2070 1514,2070 1554,2070 1594,2070 1634,2070 1674,2070 1714,2070 1754,2070 1794,2070 1954,2070 1994,2070 2034,2070 2074,2070 2114,2070 2154,2070 2194,2070 2234,2070 2274,2070 2314,2070 2354,2070 2394,2070 534,2110 814,2110 854,2110 894,2110 934,2110 1334,2110 1374,2110 1414,2110 1454,2110 1494,2110 1534,2110 1574,2110 1614,2110 1654,2110 1694,2110 1734,2110 1774,2110 1934,2110 1974,2110 2014,2110 2054,2110 2094,2110 2134,2110 2174,2110 2214,2110 2254,2110 2294,2110 2334,2110 2374,2110 2414,2110 554,2150 594,2150 634,2150 674,2150 714,2150 834,2150 874,2150 914,2150 954,2150 1314,2150 1354,2150 1394,2150 1434,2150 1474,2150 1514,2150 1554,2150 1594,2150 1634,2150 1674,2150 1714,2150 1754,2150 1794,2150 1914,2150 1954,2150 1994,2150 2034,2150 2074,2150 2114,2150 2154,2150 2194,2150 2234,2150 2274,2150 2314,2150 2354,2150 2394,2150 54,2190 94,2190 134,2190 174,2190 214,2190 254,2190 294,2190 334,2190 614,2190 654,2190 694,2190 734,2190 894,2190 934,2190 974,2190 1014,2190 1054,2190 1094,2190 1134,2190 1334,2190 1374,2190 1414,2190 1454,2190 1494,2190 1534,2190 1574,2190 1614,2190 1654,2190 1694,2190 2014,2190 2054,2190 2094,2190 2134,2190 2174,2190 2214,2190 2254,2190 2294,2190 2334,2190 2374,2190 2414,2190 74,2230 114,2230 154,2230 194,2230 234,2230 274,2230 314,2230 354,2230 634,2230 674,2230 714,2230 754,2230 794,2230 914,2230 954,2230 994,2230 1034,2230 1074,2230 1114,2230 1314,2230 1354,2230 1394,2230 1434,2230 1474,2230 1514,2230 1554,2230 1594,2230 1634,2230 1674,2230 2034,2230 2074,2230 2114,2230 2154,2230 2194,2230 2234,2230 2274,2230 2314,2230 2354,2230 2394,2230 254,2270 294,2270 334,2270 374,2270 414,2270 574,2270 614,2270 654,2270 694,2270 734,2270 774,2270 814,2270 1334,2270 1374,2270 1414,2270 1454,2270 1494,2270 1534,2270 2174,2270 2214,2270 2254,2270 2294,2270 2334,2270 2374,2270 2414,2270 794,2310 834,2310 874,2310 914,2310 954,2310 994,2310 1034,2310 1074,2310 1114,2310 1314,2310 1474,2310 1514,2310 2194,2310 2234,2310 2274,2310 2394,2310 454,2350 494,2350 814,2350 854,2350 894,2350 934,2350 974,2350 1014,2350 1054,2350 1094,2350 1134,2350 1494,2350 1534,2350 2174,2350 2214,2350 2254,2350 74,2390 114,2390 154,2390 194,2390 234,2390 274,2390 314,2390 354,2390 394,2390 434,2390 474,2390 514,2390 554,2390 594,2390 634,2390 674,2390 714,2390 754,2390 794,2390 834,2390 874,2390 914,2390 954,2390 1514,2390 1554,2390 1594,2390 1634,2390 1674,2390 2034,2390 2074,2390 2114,2390 2154,2390 2194,2390 2234,2390 54,2430 94,2430 134,2430 174,2430 214,2430 254,2430 294,2430 334,2430 374,2430 414,2430 454,2430 494,2430 534,2430 574,2430 614,2430 654,2430 694,2430 734,2430 774,2430 814,2430 854,2430 894,2430 934,2430 1214,2430 1454,2430 1494,2430 1534,2430 1574,2430 1614,2430 1654,2430 2054,2430 2094,2430 2134,2430 2174,2430 2214,2430 2254,2430 2414,2430 74,2470 114,2470 154,2470 194,2470 234,2470 274,2470 314,2470 354,2470 394,2470 434,2470 474,2470 514,2470 554,2470 594,2470 634,2470 674,2470 714,2470 754,2470 794,2470 834,2470 874,2470 914,2470 954,2470 1234,2470 54,2510 94,2510 134,2510 174,2510 214,2510 254,2510 294,2510 334,2510 374,2510 414,2510 454,2510 494,2510 534,2510 574,2510 614,2510 654,2510 694,2510 734,2510 774,2510 814,2510 854,2510 894,2510 934,2510 974,2510 1014,2510 1054,2510 1094,2510 1134,2510 74,2550 154,2550 194,2550 234,2550 274,2550 314,2550 354,2550 394,2550 434,2550 474,2550 514,2550 554,2550 594,2550 634,2550 674,2550 714,2550 754,2550 794,2550 834,2550 874,2550 914,2550 954,2550 994,2550 1114,2550 1154,2550 214,2590 254,2590 294,2590 334,2590 374,2590 414,2590 454,2590 494,2590 534,2590 574,2590 614,2590 654,2590 694,2590 734,2590 774,2590 814,2590 854,2590 894,2590 934,2590 974,2590 234,2630 274,2630 314,2630 354,2630 394,2630 434,2630 474,2630 514,2630 554,2630 594,2630 634,2630 674,2630 714,2630 754,2630 794,2630 834,2630 874,2630 914,2630 954,2630 1154,2630 214,2670 254,2670 294,2670 334,2670 374,2670 414,2670 454,2670 494,2670 534,2670 574,2670 614,2670 654,2670 694,2670 734,2670 774,2670 814,2670 854,2670 894,2670 934,2670 974,2670